# EAGLE board Mk4 Final Panel 8up 4x2 (EAGLE 9.0.1), part 6 of 23
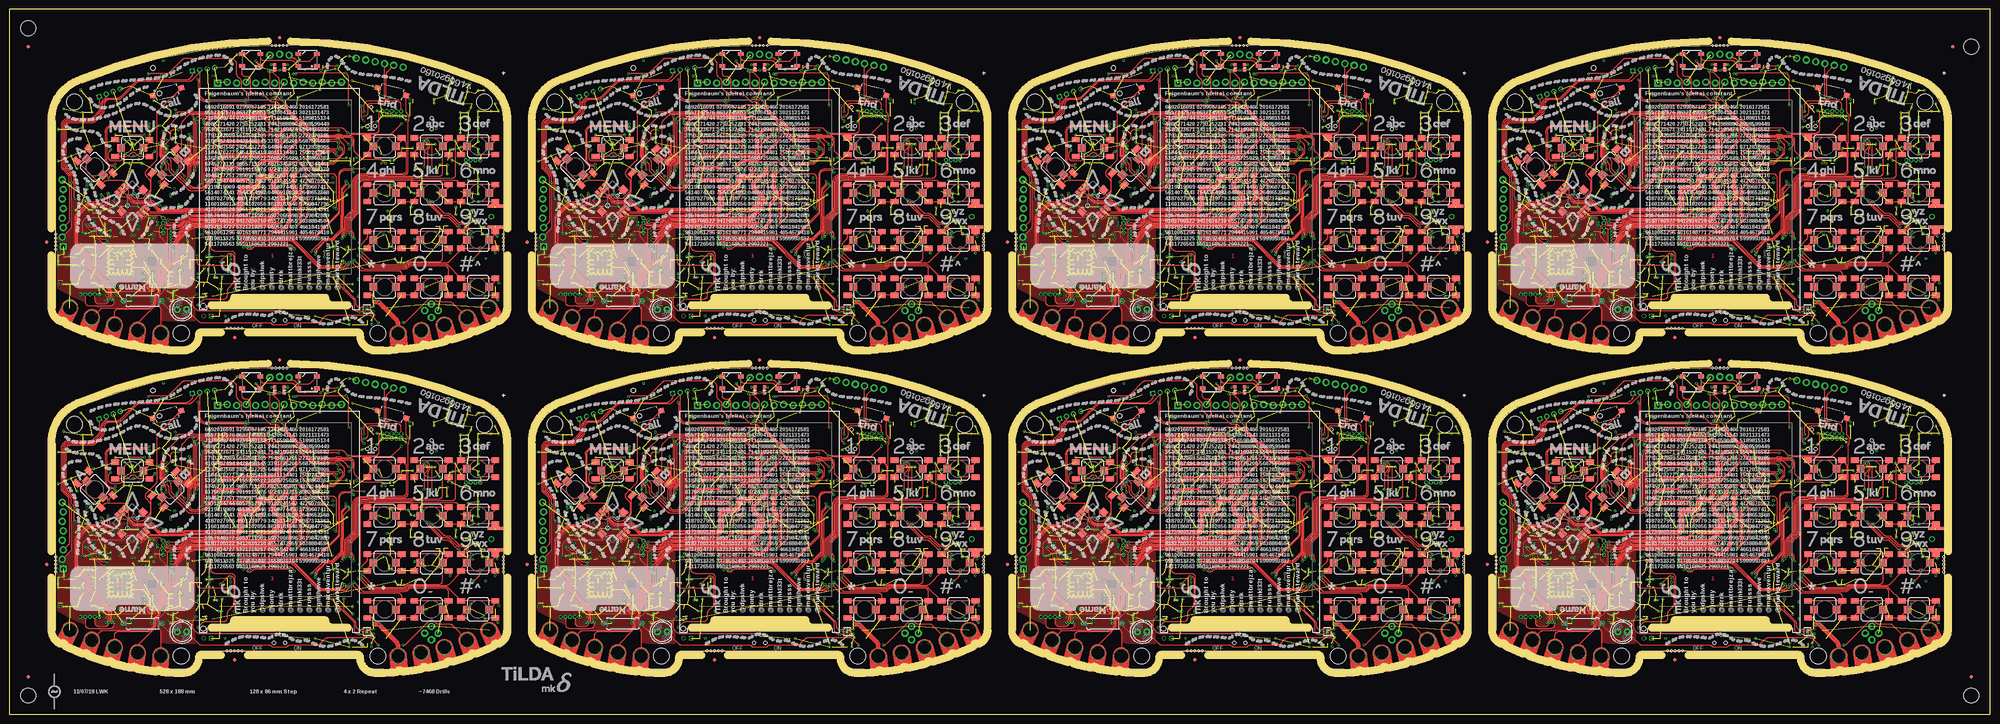
[diagram p0: board, top side]
## Nets (continued)
USB_SHIELD7: C778.2 R559.1 U22.SHIELD U22.SHIELD@0 U22.SHIELD@1 U22.SHIELD@2 U22.SHIELD@3 U22.SHIELD@5
V_UNREG: C40.1 IC8.15 IC8.16 L1.2 PCB.VBATT Q3.5 Q3.6 Q3.7 Q3.8 Q3.EP R13.2 R18.2 TP18.TP
V_UNREG1: C151.1 IC24.15 IC24.16 L12.2 PCB1.VBATT Q7.5 Q7.6 Q7.7 Q7.8 Q7.EP R96.2 R100.2 TP37.TP
V_UNREG2: C259.1 IC42.15 IC42.16 L21.2 PCB2.VBATT Q12.5 Q12.6 Q12.7 Q12.8 Q12.EP R174.2 R178.2 TP56.TP
V_UNREG3: C367.1 IC60.15 IC60.16 L30.2 PCB3.VBATT Q16.5 Q16.6 Q16.7 Q16.8 Q16.EP R252.2 R256.2 TP75.TP
V_UNREG4: C475.1 IC78.15 IC78.16 L39.2 PCB4.VBATT Q20.5 Q20.6 Q20.7 Q20.8 Q20.EP R330.2 R334.2 TP94.TP
V_UNREG5: C583.1 IC96.15 IC96.16 L48.2 PCB5.VBATT Q24.5 Q24.6 Q24.7 Q24.8 Q24.EP R408.2 R412.2 TP113.TP
V_UNREG6: C691.1 IC114.15 IC114.16 L57.2 PCB6.VBATT Q28.5 Q28.6 Q28.7 Q28.8 Q28.EP R486.2 R490.2 TP132.TP
V_UNREG7: C799.1 IC132.15 IC132.16 L66.2 PCB7.VBATT Q32.5 Q32.6 Q32.7 Q32.8 Q32.EP R564.2 R568.2 TP151.TP
VBAT: C34.1 C35.1 IC8.13 IC8.14 J5.2 TP14.TP
VBAT1: C146.1 C147.1 IC24.13 IC24.14 J12.2 TP33.TP
VBAT2: C254.1 C255.1 IC42.13 IC42.14 J22.2 TP52.TP
VBAT3: C362.1 C363.1 IC60.13 IC60.14 J32.2 TP71.TP
VBAT4: C470.1 C471.1 IC78.13 IC78.14 J42.2 TP90.TP
VBAT5: C578.1 C579.1 IC96.13 IC96.14 J52.2 TP109.TP
VBAT6: C686.1 C687.1 IC114.13 IC114.14 J62.2 TP128.TP
VBAT7: C794.1 C795.1 IC132.13 IC132.14 J72.2 TP147.TP
VBATT: C1.1 C29.+ C30.2 C31.2 C32.+ C46.1 D1.C IC5.34 IC5.35 IC9.1 IC9.7 JP2.2 LED1.1 LED2.1 Q3.1 Q3.2 Q3.3 TP15.TP
VBATT1: C111.1 C139.+ C140.2 C141.2 C142.+ C144.1 D3.C IC21.34 IC21.35 IC33.1 IC33.7 JP11.2 LED7.1 LED8.1 Q7.1 Q7.2 Q7.3 TP34.TP
VBATT2: C219.1 C247.+ C248.2 C249.2 C250.+ C252.1 D5.C IC39.34 IC39.35 IC51.1 IC51.7 JP20.2 LED13.1 LED14.1 Q12.1 Q12.2 Q12.3 TP53.TP
VBATT3: C327.1 C355.+ C356.2 C357.2 C358.+ C360.1 D7.C IC57.34 IC57.35 IC69.1 IC69.7 JP29.2 LED19.1 LED20.1 Q16.1 Q16.2 Q16.3 TP72.TP
VBATT4: C435.1 C463.+ C464.2 C465.2 C466.+ C468.1 D9.C IC75.34 IC75.35 IC87.1 IC87.7 JP38.2 LED25.1 LED26.1 Q20.1 Q20.2 Q20.3 TP91.TP
VBATT5: C543.1 C571.+ C572.2 C573.2 C574.+ C576.1 D11.C IC93.34 IC93.35 IC105.1 IC105.7 JP47.2 LED31.1 LED32.1 Q24.1 Q24.2 Q24.3 TP110.TP
VBATT6: C651.1 C679.+ C680.2 C681.2 C682.+ C684.1 D13.C IC111.34 IC111.35 IC123.1 IC123.7 JP56.2 LED37.1 LED38.1 Q28.1 Q28.2 Q28.3 TP129.TP
VBATT7: C759.1 C787.+ C788.2 C789.2 C790.+ C792.1 D15.C IC129.34 IC129.35 IC141.1 IC141.7 JP65.2 LED43.1 LED44.1 Q32.1 Q32.2 Q32.3 TP148.TP
VBUS: C41.1 IC1.96 IC7.5 IC8.1 IC8.24 L2.2 LED6.A TP7.TP
VBUS1: C152.1 IC20.96 IC23.5 IC24.1 IC24.24 L10.2 LED12.A TP26.TP
VBUS2: C260.1 IC38.96 IC41.5 IC42.1 IC42.24 L19.2 LED18.A TP45.TP
VBUS3: C368.1 IC56.96 IC59.5 IC60.1 IC60.24 L28.2 LED24.A TP64.TP
VBUS4: C476.1 IC74.96 IC77.5 IC78.1 IC78.24 L37.2 LED30.A TP83.TP
VBUS5: C584.1 IC92.96 IC95.5 IC96.1 IC96.24 L46.2 LED36.A TP102.TP
VBUS6: C692.1 IC110.96 IC113.5 IC114.1 IC114.24 L55.2 LED42.A TP121.TP
VBUS7: C800.1 IC128.96 IC131.5 IC132.1 IC132.24 L64.2 LED48.A TP140.TP
VBUS_L: L2.1 U1.VBUS
VBUS_L1: L10.1 U2.VBUS
VBUS_L2: L19.1 U7.VBUS
VBUS_L3: L28.1 U10.VBUS
VBUS_L4: L37.1 U13.VBUS
VBUS_L5: L46.1 U16.VBUS
VBUS_L6: L55.1 U19.VBUS
VBUS_L7: L64.1 U22.VBUS
VDD_ANA: C44.1 C61.1 C62.1 C63.1 IC15.25 IC15.36 IC15.48 L7.1
VDD_ANA1: C188.1 C189.1 C190.1 C191.1 IC29.25 IC29.36 IC29.48 L16.1
VDD_ANA2: C296.1 C297.1 C298.1 C299.1 IC47.25 IC47.36 IC47.48 L25.1
VDD_ANA3: C404.1 C405.1 C406.1 C407.1 IC65.25 IC65.36 IC65.48 L34.1
VDD_ANA4: C512.1 C513.1 C514.1 C515.1 IC83.25 IC83.36 IC83.48 L43.1
VDD_ANA5: C620.1 C621.1 C622.1 C623.1 IC101.25 IC101.36 IC101.48 L52.1
VDD_ANA6: C728.1 C729.1 C730.1 C731.1 IC119.25 IC119.36 IC119.48 L61.1
VDD_ANA7: C836.1 C837.1 C838.1 C839.1 IC137.25 IC137.36 IC137.48 L70.1
VDD_DIG_CC: C87.1 C96.1 C97.1 IC15.9 IC15.56 L9.1
VDD_DIG_CC1: C195.1 C204.1 C205.1 IC29.9 IC29.56 L18.1
VDD_DIG_CC2: C303.1 C312.1 C313.1 IC47.9 IC47.56 L27.1
VDD_DIG_CC3: C411.1 C420.1 C421.1 IC65.9 IC65.56 L36.1
VDD_DIG_CC4: C519.1 C528.1 C529.1 IC83.9 IC83.56 L45.1
VDD_DIG_CC5: C627.1 C636.1 C637.1 IC101.9 IC101.56 L54.1
VDD_DIG_CC6: C735.1 C744.1 C745.1 IC119.9 IC119.56 L63.1
VDD_DIG_CC7: C843.1 C852.1 C853.1 IC137.9 IC137.56 L72.1
VDD_EXT: IC5.40 R29.1
VDD_EXT1: IC21.40 R111.1
VDD_EXT2: IC39.40 R189.1
VDD_EXT3: IC57.40 R267.1
VDD_EXT4: IC75.40 R345.1
VDD_EXT5: IC93.40 R423.1
VDD_EXT6: IC111.40 R501.1
VDD_EXT7: IC129.40 R579.1
VDD_PA: C84.1 C85.1 C86.1 IC15.33 IC15.42
VDD_PA1: C192.1 C193.1 C194.1 IC29.33 IC29.42
VDD_PA2: C300.1 C301.1 C302.1 IC47.33 IC47.42
VDD_PA3: C408.1 C409.1 C410.1 IC65.33 IC65.42
VDD_PA4: C516.1 C517.1 C518.1 IC83.33 IC83.42
VDD_PA5: C624.1 C625.1 C626.1 IC101.33 IC101.42
VDD_PA6: C732.1 C733.1 C734.1 IC119.33 IC119.42
VDD_PA7: C840.1 C841.1 C842.1 IC137.33 IC137.42
VDD_PLL: C94.1 IC15.24
VDD_PLL1: C202.1 IC29.24
VDD_PLL2: C310.1 IC47.24
VDD_PLL3: C418.1 IC65.24
VDD_PLL4: C526.1 IC83.24
VDD_PLL5: C634.1 IC101.24
VDD_PLL6: C742.1 IC119.24
VDD_PLL7: C850.1 IC137.24
VDD_RAM: C95.1 IC15.49
VDD_RAM1: C203.1 IC29.49
VDD_RAM2: C311.1 IC47.49
VDD_RAM3: C419.1 IC65.49
VDD_RAM4: C527.1 IC83.49
VDD_RAM5: C635.1 IC101.49
VDD_RAM6: C743.1 IC119.49
VDD_RAM7: C851.1 IC137.49
VDDC: C6.2 C7.2 C8.2 IC1.87 IC1.115
VDDC1: C116.2 C117.2 C118.2 IC20.87 IC20.115
VDDC2: C224.2 C225.2 C226.2 IC38.87 IC38.115
VDDC3: C332.2 C333.2 C334.2 IC56.87 IC56.115
VDDC4: C440.2 C441.2 C442.2 IC74.87 IC74.115
VDDC5: C548.2 C549.2 C550.2 IC92.87 IC92.115
VDDC6: C656.2 C657.2 C658.2 IC110.87 IC110.115
VDDC7: C764.2 C765.2 C766.2 IC128.87 IC128.115
WFIF_ANT_L [50R Single]: ANT1.1 C77.2 L6.2
WFIF_ANT_L1 [50R Single]: ANT3.1 C178.2 L15.2
WFIF_ANT_L2 [50R Single]: ANT5.1 C286.2 L24.2
WFIF_ANT_L3 [50R Single]: ANT7.1 C394.2 L33.2
WFIF_ANT_L4 [50R Single]: ANT9.1 C502.2 L42.2
WFIF_ANT_L5 [50R Single]: ANT11.1 C610.2 L51.2
WFIF_ANT_L6 [50R Single]: ANT13.1 C718.2 L60.2
WFIF_ANT_L7 [50R Single]: ANT15.1 C826.2 L69.2
WIFI_ANT [50R Single]: C76.2 FL1.OUT L6.1
WIFI_ANT1 [50R Single]: C177.2 FL2.OUT L15.1
WIFI_ANT2 [50R Single]: C285.2 FL3.OUT L24.1
WIFI_ANT3 [50R Single]: C393.2 FL4.OUT L33.1
WIFI_ANT4 [50R Single]: C501.2 FL5.OUT L42.1
WIFI_ANT5 [50R Single]: C609.2 FL6.OUT L51.1
WIFI_ANT6 [50R Single]: C717.2 FL7.OUT L60.1
WIFI_ANT7 [50R Single]: C825.2 FL8.OUT L69.1
WIFI_ANT_F [50R Single]: FL1.IN IC15.31
WIFI_ANT_F1 [50R Single]: FL2.IN IC29.31
WIFI_ANT_F2 [50R Single]: FL3.IN IC47.31
WIFI_ANT_F3 [50R Single]: FL4.IN IC65.31
WIFI_ANT_F4 [50R Single]: FL5.IN IC83.31
WIFI_ANT_F5 [50R Single]: FL6.IN IC101.31
WIFI_ANT_F6 [50R Single]: FL7.IN IC119.31
WIFI_ANT_F7 [50R Single]: FL8.IN IC137.31
WS2812_OUT: JP2.3 LED2.2
WS2812_OUT1: JP11.3 LED8.2
WS2812_OUT2: JP20.3 LED14.2
WS2812_OUT3: JP29.3 LED20.2
WS2812_OUT4: JP38.3 LED26.2
WS2812_OUT5: JP47.3 LED32.2
WS2812_OUT6: JP56.3 LED38.2
WS2812_OUT7: JP65.3 LED44.2
WS28212_1: LED1.2 LED2.4
WS28212_2: LED7.2 LED8.4
WS28212_3: LED13.2 LED14.4
WS28212_4: LED19.2 LED20.4
WS28212_5: LED25.2 LED26.4
WS28212_6: LED31.2 LED32.4
WS28212_7: LED37.2 LED38.4
WS28212_8: LED43.2 LED44.4
XOSC0: C18.2 IC1.66 X1.P$1
XOSC1: C19.2 IC1.67 X1.P$2
XOSC2: C128.2 IC20.66 X5.P$1
XOSC3: C129.2 IC20.67 X5.P$2
XOSC4: C236.2 IC38.66 X9.P$1
XOSC5: C237.2 IC38.67 X9.P$2
XOSC6: C344.2 IC56.66 X13.P$1
XOSC7: C345.2 IC56.67 X13.P$2
XOSC8: C452.2 IC74.66 X17.P$1
XOSC9: C453.2 IC74.67 X17.P$2
XOSC10: C560.2 IC92.66 X21.P$1
XOSC11: C561.2 IC92.67 X21.P$2
XOSC12: C668.2 IC110.66 X25.P$1
XOSC13: C669.2 IC110.67 X25.P$2
XOSC14: C776.2 IC128.66 X29.P$1
XOSC15: C777.2 IC128.67 X29.P$2

## Tracks (layer width: path | path; a pad name or v marks a point on that pad's centre or on a via)
3V1  (via drill 0.3)  (79 unrouted)
  Top 0.2: IC34.1 224.69,21.35 arc45 v225.05,21.5
  Top 0.3: SW2.COM 163.58,48.17 v162.5,49.25
  Bottom 0.15: v214.5,30.75 C210.1 214,31.5 arc-90 213.5,32 213.5,32.16 arc-90 IC32.5
  Bottom 0.2: IC20.9 203,55.75 C123.2 | IC20.8 203.4,58.19 arc-45 203.55,58.55 v203.75,58.75 203.8,58.7 IC20.7 | IC20.16 200.2,56.01 arc45 200.35,55.65 C122.2 v200.5,54.75 | IC20.47 191.46,64.4 arc45 C120.2 | IC20.113 208.14,64.8 arc45 208.84,65.09 C119.2 | IC20.79 199.4,73.44 arc45 199.11,74.14 C121.2 | IC20.69 195.4,71.86 arc-45 v195.25,71.5 195.15,71.6 arc-45 195,71.96 IC20.68 | 160.75,39.28 IC29.47 | IC20.90 203.8,71.55 v203.75,71.5 | IC20.51 v191,66 191.11,66.11 arc-45 191.81,66.4 IC20.52 | IC20.39 v193.5,61.2 | IC20.28 195.4,56.35 arc90 v195.75,56 arc90 196.2,56.45 IC20.26 | R93.1 v207.5,57.5 | IC20.122 206.62,61.2 arc-45 v206.5,61.25 | v225.05,21.5 C212.1 | IC20.101 208.95,69.6 v209.1,69.45 | R106.2 v212.75,59 | R105.2 213.07,61.32 arc-45 v213.5,61.5 | R144.1 148.5,51.5 arc-45 v148.25,50.9
  Bottom 0.25: J6.41 192.25,50 | J6.40 192.75,49.29 arc45 192.6,49.65 192.25,50 | J6.42 191.75,49.29 arc-45 191.9,49.65 192.25,50 | J6.35 v195.25,47.5 | J6.1 v212.25,47.5 | J6.8 v208.75,50 | J6.7 209.25,49.5 v208.75,50 | J6.9 208.25,49.5 v208.75,50 | C123.2 203.25,54.12 C124.2 203.5,53.62 v203.5,52.75 | v190,64.1 C120.2 | v210.25,65.75 C119.2 | v199,75 C121.2 | R88.2 v199,78 | R89.2 v190,72.25 | C197.1 160.16,40.5 arc45 159.46,40.21 arc45 159.25,39.71 IC29.44 | IC29.39 156.75,41.55 C198.1 | IC29.37 155.75,41.35 C196.1 | C199.1 v156,28.25 156.46,28.71 arc45 156.75,29.41 IC29.10 | C200.1 v164,35.5 163.9,35.6 arc45 163.54,35.75 IC29.54 | IC31.21 C131.2 | v214,42.3 R152.2 | JP12.8 202.35,83.71 arc45 202.5,84.06 C113.2 | IC28.6 161.12,63.02 v161.05,62.95 C185.1
  Bottom 0.3: 161.22,39.75 160.75,39.28 | R151.2 v149.25,42.25 | JP10.1 225.63,74.63 v226,75 | IC27.14 234.81,71.44 R134.2 C172.2 v233.75,72.5 | IC22.8 209.35,58.15 C112.2 v209.25,59 | R94.1 v218,52.5 | C138.2 182.43,54.25 IC19.27 182.33,54.25 v181.25,54.25 | v172.25,66.5 arc-45 171.77,66.3 IC19.43 169.8,66.3 C134.2 | v172.25,71 172.15,71.1 IC19.49 169.85,71.1 C137.2 | v181.25,73.5 IC19.3 C132.2 | v181.25,75.25 181.4,75.1 IC19.1 183.65,75.1 C136.2 | v181.25,68.75 181.3,68.7 IC19.9 183.7,68.7 C133.2 | v181.25,64.75 181.3,64.7 IC19.14 183.7,64.7 C135.2 | C153.2 v166,46.5 | C153.2 166.75,47 v166.75,46.5 | C153.2 165.25,47 v165.25,46.5 | v219,61.5 R128.2 | C211.1 R138.1 | R104.2 R103.2 v185.3,60.75 | C196.1 v154.85,41.5 | C114.2 208.89,80.61 JP12.11 | v220.6,62.45 C171.2 220.03,62.73 IC26.8 | J16.7 J16.3 | J18.7 J18.3 | IC35.5 C215.1 v218.6,19
  Bottom 0.4: 161.22,39.75 162.19,39.75 arc45 162.89,40.04 C201.1 163.6,41.39 arc-45 163.75,41.75 v164,42 | v161.25,41.75 161.25,41.66 arc-45 160.96,40.96 160.7,40.7 C197.1 160.5,40.7 v160.5,41.75 | C198.1 157.1,41.7 v157.65,42.25 | v166.25,31.75 R146.2 | v166.25,29.75 R147.2 | v156,48.15 156.5,48.15 arc90 157.5,49.15 C186.2 157.5,49.53 arc45 157.21,50.24 IC30.8 | R145.2 v152.25,49.25 | v214.5,38.5 C131.2 | v168.95,27.6 R138.1 | C154.2 v160.5,25 | C154.2 161,25.75 v160.5,25.75 | C154.2 161,24.25 v160.5,24.25 | IC36.1 227.05,22 C216.1 225.96,22 arc45 225.26,21.71 v225.05,21.5 | TP35.TP 173.55,33.95 v173.55,32.65
  Bottom 0.5: C115.2 217.14,82 JP12.14
  other vias: 192.5,53.25 173.15,32.15 173.95,32.15 174.3,36.35 174,35.35 173.7,35.95
  pour 3V3@2 (isolate 0.254, rank 6): 140.2,74.5 140.2,21 arc31 172,12 174.7,12 arc90 177.5,14.8 arc-90 179.5,16.8 220.5,16.8 arc-90 222.5,14.8 arc90 225.3,12 228,12 arc31 259.8,21 259.8,44.5 253.5,44.5 253.5,74.5 259.8,74.5 arc64 253.25,82.25 arc24 200,92.5 arc24 146.75,82.25 arc55
  pour Bottom (no thermals): 192.25,52 192.25,53.3 192.45,53.5 192.8,53.5 193,53.3 193,51.75 192.5,51.25 192.5,49.75 192,49.75 192,51.75
  pour Bottom (no thermals): 176.3,27.65 174.75,27.65 174.35,28.05 arc45 173.99,28.2 172.85,28.2 172.85,35.39 arc-45 173,35.75 173.85,36.6 arc-45 174.21,36.75 174.25,36.75 arc-90 174.75,36.25 174.75,36.11 arc-45 174.6,35.75 174.45,35.6 arc45 174.3,35.24 174.3,29.4 arc90 174.8,28.9 175.8,28.9 arc-90 176.3,28.4
  pour Top: 164.35,46.85 162.65,45.15 arc-45 162.29,45 156.41,45 arc45 155.71,44.71 154.79,43.79 arc45 154.5,43.09 154.5,40 arc90 155.5,39 161.09,39 arc45 161.79,39.29 165.71,43.21 arc45 166,43.91 166,44.29 arc-45 166.15,44.65 167.35,45.85 arc45 167.5,46.21 167.5,46.5 arc90 167,47 164.71,47 arc45
3V2  (via drill 0.3)  (79 unrouted)
  Top 0.2: IC52.1 96.69,107.35 arc45 v97.05,107.5
  Top 0.3: SW3.COM 35.58,134.17 v34.5,135.25
  Bottom 0.15: v86.5,116.75 C318.1 86,117.5 arc-90 85.5,118 85.5,118.16 arc-90 IC50.5
  Bottom 0.2: IC38.9 75,141.75 C231.2 | IC38.8 75.4,144.19 arc-45 75.55,144.55 v75.75,144.75 75.8,144.7 IC38.7 | IC38.16 72.2,142.01 arc45 72.35,141.65 C230.2 v72.5,140.75 | IC38.47 63.46,150.4 arc45 C228.2 | IC38.113 80.14,150.8 arc45 80.84,151.09 C227.2 | IC38.79 71.4,159.44 arc45 71.11,160.14 C229.2 | IC38.69 67.4,157.86 arc-45 v67.25,157.5 67.15,157.6 arc-45 67,157.96 IC38.68 | 32.75,125.28 IC47.47 | IC38.90 75.8,157.55 v75.75,157.5 | IC38.51 v63,152 63.11,152.11 arc-45 63.81,152.4 IC38.52 | IC38.39 v65.5,147.2 | IC38.28 67.4,142.35 arc90 v67.75,142 arc90 68.2,142.45 IC38.26 | R171.1 v79.5,143.5 | IC38.122 78.62,147.2 arc-45 v78.5,147.25 | v97.05,107.5 C320.1 | IC38.101 80.95,155.6 v81.1,155.45 | R184.2 v84.75,145 | R183.2 85.07,147.32 arc-45 v85.5,147.5 | R222.1 20.5,137.5 arc-45 v20.25,136.9
  Bottom 0.25: J21.41 64.25,136 | J21.40 64.75,135.29 arc45 64.6,135.65 64.25,136 | J21.42 63.75,135.29 arc-45 63.9,135.65 64.25,136 | J21.35 v67.25,133.5 | J21.1 v84.25,133.5 | J21.8 v80.75,136 | J21.7 81.25,135.5 v80.75,136 | J21.9 80.25,135.5 v80.75,136 | C231.2 75.25,140.12 C232.2 75.5,139.62 v75.5,138.75 | v62,150.1 C228.2 | v82.25,151.75 C227.2 | v71,161 C229.2 | R166.2 v71,164 | R167.2 v62,158.25 | C305.1 32.16,126.5 arc45 31.46,126.21 arc45 31.25,125.71 IC47.44 | IC47.39 28.75,127.55 C306.1 | IC47.37 27.75,127.35 C304.1 | C307.1 v28,114.25 28.46,114.71 arc45 28.75,115.41 IC47.10 | C308.1 v36,121.5 35.9,121.6 arc45 35.54,121.75 IC47.54 | IC49.21 C239.2 | v86,128.3 R230.2 | JP21.8 74.35,169.71 arc45 74.5,170.06 C221.2 | IC46.6 33.12,149.03 v33.05,148.95 C293.1
  Bottom 0.3: 33.22,125.75 32.75,125.28 | R229.2 v21.25,128.25 | JP19.1 97.63,160.63 v98,161 | IC45.14 106.81,157.44 R212.2 C280.2 v105.75,158.5 | IC40.8 81.35,144.15 C220.2 v81.25,145 | R172.1 v90,138.5 | C246.2 54.43,140.25 IC37.27 54.33,140.25 v53.25,140.25 | v44.25,152.5 arc-45 43.77,152.3 IC37.43 41.8,152.3 C242.2 | v44.25,157 44.15,157.1 IC37.49 41.85,157.1 C245.2 | v53.25,159.5 IC37.3 C240.2 | v53.25,161.25 53.4,161.1 IC37.1 55.65,161.1 C244.2 | v53.25,154.75 53.3,154.7 IC37.9 55.7,154.7 C241.2 | v53.25,150.75 53.3,150.7 IC37.14 55.7,150.7 C243.2 | C261.2 v38,132.5 | C261.2 38.75,133 v38.75,132.5 | C261.2 37.25,133 v37.25,132.5 | v91,147.5 R206.2 | C319.1 R216.1 | R182.2 R181.2 v57.3,146.75 | C304.1 v26.85,127.5 | C222.2 80.89,166.61 JP21.11 | v92.6,148.45 C279.2 92.03,148.72 IC44.8 | J26.7 J26.3 | J28.7 J28.3 | IC53.5 C323.1 v90.6,105
  Bottom 0.4: 33.22,125.75 34.19,125.75 arc45 34.89,126.04 C309.1 35.6,127.39 arc-45 35.75,127.75 v36,128 | v33.25,127.75 33.25,127.66 arc-45 32.96,126.96 32.7,126.7 C305.1 32.5,126.7 v32.5,127.75 | C306.1 29.1,127.7 v29.65,128.25 | v38.25,117.75 R224.2 | v38.25,115.75 R225.2 | v28,134.15 28.5,134.15 arc90 29.5,135.15 C294.2 29.5,135.53 arc45 29.21,136.24 IC48.8 | R223.2 v24.25,135.25 | v86.5,124.5 C239.2 | v40.95,113.6 R216.1 | C262.2 v32.5,111 | C262.2 33,111.75 v32.5,111.75 | C262.2 33,110.25 v32.5,110.25 | IC54.1 99.05,108 C324.1 97.96,108 arc45 97.26,107.71 v97.05,107.5 | TP54.TP 45.55,119.95 v45.55,118.65
  Bottom 0.5: C223.2 89.14,168 JP21.14
  other vias: 64.5,139.25 45.15,118.15 45.95,118.15 46.3,122.35 46,121.35 45.7,121.95
  pour 3V3@2 (isolate 0.254, rank 6): 12.2,160.5 12.2,107 arc31 44,98 46.7,98 arc90 49.5,100.8 arc-90 51.5,102.8 92.5,102.8 arc-90 94.5,100.8 arc90 97.3,98 100,98 arc31 131.8,107 131.8,130.5 125.5,130.5 125.5,160.5 131.8,160.5 arc64 125.25,168.25 arc24 72,178.5 arc24 18.75,168.25 arc55
  pour Bottom (no thermals): 64.25,138 64.25,139.3 64.45,139.5 64.8,139.5 65,139.3 65,137.75 64.5,137.25 64.5,135.75 64,135.75 64,137.75
  pour Bottom (no thermals): 48.3,113.65 46.75,113.65 46.35,114.05 arc45 45.99,114.2 44.85,114.2 44.85,121.39 arc-45 45,121.75 45.85,122.6 arc-45 46.21,122.75 46.25,122.75 arc-90 46.75,122.25 46.75,122.11 arc-45 46.6,121.75 46.45,121.6 arc45 46.3,121.24 46.3,115.4 arc90 46.8,114.9 47.8,114.9 arc-90 48.3,114.4
  pour Top: 36.35,132.85 34.65,131.15 arc-45 34.29,131 28.41,131 arc45 27.71,130.71 26.79,129.79 arc45 26.5,129.09 26.5,126 arc90 27.5,125 33.09,125 arc45 33.79,125.29 37.71,129.21 arc45 38,129.91 38,130.29 arc-45 38.15,130.65 39.35,131.85 arc45 39.5,132.21 39.5,132.5 arc90 39,133 36.71,133 arc45
3V3  (via drill 0.3)  (79 unrouted)
  Top 0.2: IC17.1 96.69,21.35 arc45 v97.05,21.5
  Top 0.3: SW1.COM 35.58,48.17 v34.5,49.25
  Bottom 0.15: v86.5,30.75 C102.1 86,31.5 arc-90 85.5,32 85.5,32.16 arc-90 IC16.5
  Bottom 0.2: IC1.9 75,55.75 C13.2 | IC1.8 75.4,58.19 arc-45 75.55,58.55 v75.75,58.75 75.8,58.7 IC1.7 | IC1.16 72.2,56.01 arc45 72.35,55.65 C12.2 v72.5,54.75 | IC1.47 63.46,64.4 arc45 C10.2 | IC1.113 80.14,64.8 arc45 80.84,65.09 C9.2 | IC1.79 71.4,73.44 arc45 71.11,74.14 C11.2 | IC1.69 67.4,71.86 arc-45 v67.25,71.5 67.15,71.6 arc-45 67,71.96 IC1.68 | 32.75,39.28 IC15.47 | IC1.90 75.8,71.55 v75.75,71.5 | IC1.51 v63,66 63.11,66.11 arc-45 63.81,66.4 IC1.52 | IC1.39 v65.5,61.2 | IC1.28 67.4,56.35 arc90 v67.75,56 arc90 68.2,56.45 IC1.26 | R9.1 v79.5,57.5 | IC1.122 78.62,61.2 arc-45 v78.5,61.25 | v97.05,21.5 C104.1 | IC1.101 80.95,69.6 v81.1,69.45 | R24.2 v84.75,59 | R23.2 85.07,61.32 arc-45 v85.5,61.5 | R66.1 20.5,51.5 arc-45 v20.25,50.9
  Bottom 0.25: J2.41 64.25,50 | J2.40 64.75,49.29 arc45 64.6,49.65 64.25,50 | J2.42 63.75,49.29 arc-45 63.9,49.65 64.25,50 | J2.35 v67.25,47.5 | J2.1 v84.25,47.5 | J2.8 v80.75,50 | J2.7 81.25,49.5 v80.75,50 | J2.9 80.25,49.5 v80.75,50 | C13.2 75.25,54.12 C14.2 75.5,53.62 v75.5,52.75 | v62,64.1 C10.2 | v82.25,65.75 C9.2 | v71,75 C11.2 | R4.2 v71,78 | R5.2 v62,72.25 | C89.1 32.16,40.5 arc45 31.46,40.21 arc45 31.25,39.71 IC15.44 | IC15.39 28.75,41.55 C90.1 | IC15.37 27.75,41.35 C88.1 | C91.1 v28,28.25 28.46,28.71 arc45 28.75,29.41 IC15.10 | C92.1 v36,35.5 35.9,35.6 arc45 35.54,35.75 IC15.54 | IC4.21 C21.2 | v86,42.3 R76.2 | JP7.8 74.35,83.71 arc45 74.5,84.06 C3.2 | IC13.6 33.12,63.02 v33.05,62.95 C58.1
  Bottom 0.3: 33.22,39.75 32.75,39.28 | R73.2 v21.25,42.25 | JP4.1 97.63,74.63 v98,75 | IC12.14 106.81,71.44 R56.2 C71.2 v105.75,72.5 | IC6.8 81.35,58.15 C2.2 v81.25,59 | R10.1 v90,52.5 | C28.2 54.43,54.25 IC2.27 54.33,54.25 v53.25,54.25 | v44.25,66.5 arc-45 43.77,66.3 IC2.43 41.8,66.3 C24.2 | v44.25,71 44.15,71.1 IC2.49 41.85,71.1 C27.2 | v53.25,73.5 IC2.3 C22.2 | v53.25,75.25 53.4,75.1 IC2.1 55.65,75.1 C26.2 | v53.25,68.75 53.3,68.7 IC2.9 55.7,68.7 C23.2 | v53.25,64.75 53.3,64.7 IC2.14 55.7,64.7 C25.2 | C42.2 v38,46.5 | C42.2 38.75,47 v38.75,46.5 | C42.2 37.25,47 v37.25,46.5 | v91,61.5 R50.2 | C103.1 R60.1 | R22.2 R21.2 v57.3,60.75 | C88.1 v26.85,41.5 | C4.2 80.89,80.61 JP7.11 | v92.6,62.45 C70.2 92.03,62.73 IC11.8 | J10.7 J10.3 | J8.7 J8.3 | IC3.5 C107.1 v90.6,19
  Bottom 0.4: 33.22,39.75 34.19,39.75 arc45 34.89,40.04 C93.1 35.6,41.39 arc-45 35.75,41.75 v36,42 | v33.25,41.75 33.25,41.66 arc-45 32.96,40.96 32.7,40.7 C89.1 32.5,40.7 v32.5,41.75 | C90.1 29.1,41.7 v29.65,42.25 | v38.25,31.75 R68.2 | v38.25,29.75 R69.2 | v28,48.15 28.5,48.15 arc90 29.5,49.15 C59.2 29.5,49.53 arc45 29.21,50.24 IC14.8 | R67.2 v24.25,49.25 | v86.5,38.5 C21.2 | v40.95,27.6 R60.1 | C43.2 v32.5,25 | C43.2 33,25.75 v32.5,25.75 | C43.2 33,24.25 v32.5,24.25 | IC18.1 99.05,22 C108.1 97.96,22 arc45 97.26,21.71 v97.05,21.5 | TP16.TP 45.55,33.95 v45.55,32.65
  Bottom 0.5: C5.2 89.14,82 JP7.14
  other vias: 64.5,53.25 45.15,32.15 45.95,32.15 46.3,36.35 46,35.35 45.7,35.95
  pour 3V3@2 (isolate 0.254, rank 6): 12.2,74.5 12.2,21 arc31 44,12 46.7,12 arc90 49.5,14.8 arc-90 51.5,16.8 92.5,16.8 arc-90 94.5,14.8 arc90 97.3,12 100,12 arc31 131.8,21 131.8,44.5 125.5,44.5 125.5,74.5 131.8,74.5 arc64 125.25,82.25 arc24 72,92.5 arc24 18.75,82.25 arc55
  pour Bottom (no thermals): 64.25,52 64.25,53.3 64.45,53.5 64.8,53.5 65,53.3 65,51.75 64.5,51.25 64.5,49.75 64,49.75 64,51.75
  pour Bottom (no thermals): 48.3,27.65 46.75,27.65 46.35,28.05 arc45 45.99,28.2 44.85,28.2 44.85,35.39 arc-45 45,35.75 45.85,36.6 arc-45 46.21,36.75 46.25,36.75 arc-90 46.75,36.25 46.75,36.11 arc-45 46.6,35.75 46.45,35.6 arc45 46.3,35.24 46.3,29.4 arc90 46.8,28.9 47.8,28.9 arc-90 48.3,28.4
  pour Top: 36.35,46.85 34.65,45.15 arc-45 34.29,45 28.41,45 arc45 27.71,44.71 26.79,43.79 arc45 26.5,43.09 26.5,40 arc90 27.5,39 33.09,39 arc45 33.79,39.29 37.71,43.21 arc45 38,43.91 38,44.29 arc-45 38.15,44.65 39.35,45.85 arc45 39.5,46.21 39.5,46.5 arc90 39,47 36.71,47 arc45
3V4  (via drill 0.3)  (79 unrouted)
  Top 0.2: IC70.1 224.69,107.35 arc45 v225.05,107.5
  Top 0.3: SW4.COM 163.58,134.17 v162.5,135.25
  Bottom 0.15: v214.5,116.75 C426.1 214,117.5 arc-90 213.5,118 213.5,118.16 arc-90 IC68.5
  Bottom 0.2: IC56.9 203,141.75 C339.2 | IC56.8 203.4,144.19 arc-45 203.55,144.55 v203.75,144.75 203.8,144.7 IC56.7 | IC56.16 200.2,142.01 arc45 200.35,141.65 C338.2 v200.5,140.75 | IC56.47 191.46,150.4 arc45 C336.2 | IC56.113 208.14,150.8 arc45 208.84,151.09 C335.2 | IC56.79 199.4,159.44 arc45 199.11,160.14 C337.2 | IC56.69 195.4,157.86 arc-45 v195.25,157.5 195.15,157.6 arc-45 195,157.96 IC56.68 | 160.75,125.28 IC65.47 | IC56.90 203.8,157.55 v203.75,157.5 | IC56.51 v191,152 191.11,152.11 arc-45 191.81,152.4 IC56.52 | IC56.39 v193.5,147.2 | IC56.28 195.4,142.35 arc90 v195.75,142 arc90 196.2,142.45 IC56.26 | R249.1 v207.5,143.5 | IC56.122 206.62,147.2 arc-45 v206.5,147.25 | v225.05,107.5 C428.1 | IC56.101 208.95,155.6 v209.1,155.45 | R262.2 v212.75,145 | R261.2 213.07,147.32 arc-45 v213.5,147.5 | R300.1 148.5,137.5 arc-45 v148.25,136.9
  Bottom 0.25: J31.41 192.25,136 | J31.40 192.75,135.29 arc45 192.6,135.65 192.25,136 | J31.42 191.75,135.29 arc-45 191.9,135.65 192.25,136 | J31.35 v195.25,133.5 | J31.1 v212.25,133.5 | J31.8 v208.75,136 | J31.7 209.25,135.5 v208.75,136 | J31.9 208.25,135.5 v208.75,136 | C339.2 203.25,140.12 C340.2 203.5,139.62 v203.5,138.75 | v190,150.1 C336.2 | v210.25,151.75 C335.2 | v199,161 C337.2 | R244.2 v199,164 | R245.2 v190,158.25 | C413.1 160.16,126.5 arc45 159.46,126.21 arc45 159.25,125.71 IC65.44 | IC65.39 156.75,127.55 C414.1 | IC65.37 155.75,127.35 C412.1 | C415.1 v156,114.25 156.46,114.71 arc45 156.75,115.41 IC65.10 | C416.1 v164,121.5 163.9,121.6 arc45 163.54,121.75 IC65.54 | IC67.21 C347.2 | v214,128.3 R308.2 | JP30.8 202.35,169.71 arc45 202.5,170.06 C329.2 | IC64.6 161.12,149.03 v161.05,148.95 C401.1
  Bottom 0.3: 161.22,125.75 160.75,125.28 | R307.2 v149.25,128.25 | JP28.1 225.63,160.63 v226,161 | IC63.14 234.81,157.44 R290.2 C388.2 v233.75,158.5 | IC58.8 209.35,144.15 C328.2 v209.25,145 | R250.1 v218,138.5 | C354.2 182.43,140.25 IC55.27 182.33,140.25 v181.25,140.25 | v172.25,152.5 arc-45 171.77,152.3 IC55.43 169.8,152.3 C350.2 | v172.25,157 172.15,157.1 IC55.49 169.85,157.1 C353.2 | v181.25,159.5 IC55.3 C348.2 | v181.25,161.25 181.4,161.1 IC55.1 183.65,161.1 C352.2 | v181.25,154.75 181.3,154.7 IC55.9 183.7,154.7 C349.2 | v181.25,150.75 181.3,150.7 IC55.14 183.7,150.7 C351.2 | C369.2 v166,132.5 | C369.2 166.75,133 v166.75,132.5 | C369.2 165.25,133 v165.25,132.5 | v219,147.5 R284.2 | C427.1 R294.1 | R260.2 R259.2 v185.3,146.75 | C412.1 v154.85,127.5 | C330.2 208.89,166.61 JP30.11 | v220.6,148.45 C387.2 220.03,148.72 IC62.8 | J36.7 J36.3 | J38.7 J38.3 | IC71.5 C431.1 v218.6,105
  Bottom 0.4: 161.22,125.75 162.19,125.75 arc45 162.89,126.04 C417.1 163.6,127.39 arc-45 163.75,127.75 v164,128 | v161.25,127.75 161.25,127.66 arc-45 160.96,126.96 160.7,126.7 C413.1 160.5,126.7 v160.5,127.75 | C414.1 157.1,127.7 v157.65,128.25 | v166.25,117.75 R302.2 | v166.25,115.75 R303.2 | v156,134.15 156.5,134.15 arc90 157.5,135.15 C402.2 157.5,135.53 arc45 157.21,136.24 IC66.8 | R301.2 v152.25,135.25 | v214.5,124.5 C347.2 | v168.95,113.6 R294.1 | C370.2 v160.5,111 | C370.2 161,111.75 v160.5,111.75 | C370.2 161,110.25 v160.5,110.25 | IC72.1 227.05,108 C432.1 225.96,108 arc45 225.26,107.71 v225.05,107.5 | TP73.TP 173.55,119.95 v173.55,118.65
  Bottom 0.5: C331.2 217.14,168 JP30.14
  other vias: 192.5,139.25 173.15,118.15 173.95,118.15 174.3,122.35 174,121.35 173.7,121.95
  pour 3V3@2 (isolate 0.254, rank 6): 140.2,160.5 140.2,107 arc31 172,98 174.7,98 arc90 177.5,100.8 arc-90 179.5,102.8 220.5,102.8 arc-90 222.5,100.8 arc90 225.3,98 228,98 arc31 259.8,107 259.8,130.5 253.5,130.5 253.5,160.5 259.8,160.5 arc64 253.25,168.25 arc24 200,178.5 arc24 146.75,168.25 arc55
  pour Bottom (no thermals): 192.25,138 192.25,139.3 192.45,139.5 192.8,139.5 193,139.3 193,137.75 192.5,137.25 192.5,135.75 192,135.75 192,137.75
  pour Bottom (no thermals): 176.3,113.65 174.75,113.65 174.35,114.05 arc45 173.99,114.2 172.85,114.2 172.85,121.39 arc-45 173,121.75 173.85,122.6 arc-45 174.21,122.75 174.25,122.75 arc-90 174.75,122.25 174.75,122.11 arc-45 174.6,121.75 174.45,121.6 arc45 174.3,121.24 174.3,115.4 arc90 174.8,114.9 175.8,114.9 arc-90 176.3,114.4
  pour Top: 164.35,132.85 162.65,131.15 arc-45 162.29,131 156.41,131 arc45 155.71,130.71 154.79,129.79 arc45 154.5,129.09 154.5,126 arc90 155.5,125 161.09,125 arc45 161.79,125.29 165.71,129.21 arc45 166,129.91 166,130.29 arc-45 166.15,130.65 167.35,131.85 arc45 167.5,132.21 167.5,132.5 arc90 167,133 164.71,133 arc45